# KiCad board TS_FPGA_Module_Rev2.kicad_pcb (continued)
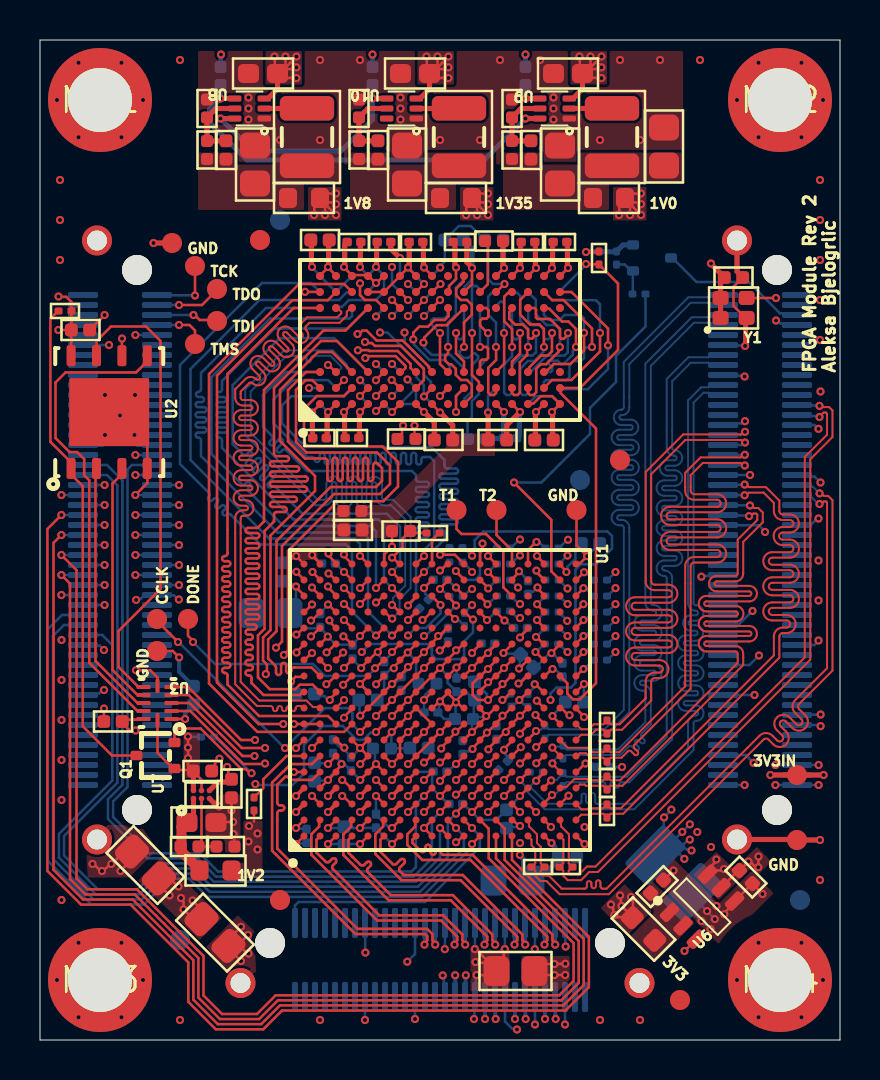
[diagram p0: board, top side]
## Routing (per net, layer and track width the routed paths; a pad name or vN(x,y) marks a point on that pad's centre or on a via; arc(x,y) is an arc through that point) (continued)
  Bottom Layer w0.1: R7.2 26.15,13.33 25.83,13.01 25.58,13.01 v1(25.56,12.98) ; 26.15,13.34 26.16,13.34 26.33,13.16 29.35,13.16 31.33,15.15 31.33,23.09 arc(31.3,23.17) 31.22,23.2 31.22,23.2 arc(30.83,23.59) 31.22,23.98 31.73,23.98 arc(31.84,24.09) 31.73,24.2 31.22,24.2 arc(30.83,24.59) 31.22,24.98 31.73,24.98 arc(31.84,25.09) 31.73,25.21 31.22,25.21 arc(30.83,25.59) 31.22,25.98 31.73,25.98 arc(31.84,26.09) 31.73,26.21 31.22,26.21 arc(30.83,26.6) 31.22,26.98 31.73,26.98 arc(31.84,27.1) 31.73,27.21 31.22,27.21 arc(30.83,27.6) 31.22,27.98 31.73,27.98 arc(31.84,28.1) 31.73,28.21 31.38,28.21 arc(30.99,28.6) 31.38,28.99 31.72,28.99 arc(31.84,29.1) 31.72,29.21 31.72,29.21 arc(31.45,29.33) 31.33,29.6 31.33,33.05 32.42,34.14 33.42,34.14 33.54,34.25 JM1.88
/D3B_P: length 38.8
  Top Layer w0.127: U1.T3 25.2,11.85 25.6,12.25
  Bottom Layer w0.1: R7.1 26.15,12.68 25.78,12.31 25.66,12.31 v1(25.6,12.25) ; JM1.86 33.54,33.75 33.42,33.86 32.53,33.86 31.61,32.94 31.61,29.6 arc(31.64,29.52) 31.72,29.49 31.72,29.49 arc(32.11,29.1) 31.72,28.71 31.38,28.71 arc(31.26,28.6) 31.38,28.49 31.73,28.49 arc(32.12,28.1) 31.73,27.71 31.22,27.71 arc(31.1,27.6) 31.22,27.48 31.73,27.48 arc(32.12,27.1) 31.73,26.71 31.22,26.71 arc(31.1,26.6) 31.22,26.48 31.73,26.48 arc(32.12,26.09) 31.73,25.71 31.22,25.71 arc(31.1,25.59) 31.22,25.48 31.73,25.48 arc(32.12,25.09) 31.73,24.7 31.22,24.7 arc(31.1,24.59) 31.22,24.48 31.73,24.48 arc(32.12,24.09) 31.73,23.7 31.22,23.7 arc(31.1,23.59) 31.22,23.48 31.22,23.48 arc(31.49,23.36) 31.61,23.09 31.61,15.03 29.46,12.89 29.07,12.89 arc(28.99,12.85) 28.96,12.77 28.96,12.72 arc(28.84,12.61) 28.73,12.72 28.73,12.77 arc(28.62,12.89) 28.5,12.77 28.5,12.51 arc(28.39,12.4) 28.28,12.51 28.28,12.77 arc(28.24,12.85) 28.16,12.89 26.33,12.89 26.16,12.71 26.15,12.71
/D4A_N: length 35.6
  Top Layer w0.1: v1(25.62,14.62) 25.62,14.6 26,14.22 U1.U6
  Bottom Layer w0.1: v1(25.62,14.62) 25.67,14.67 26.07,14.67 26.15,14.75 26.15,14.71 26.33,14.52 28.9,14.52 30.27,15.89 30.27,17.35 arc(30.23,17.43) 30.15,17.47 30.11,17.47 arc(29.72,17.85) 30.11,18.24 30.69,18.24 arc(30.81,18.36) 30.69,18.47 30.11,18.47 arc(29.72,18.86) 30.11,19.24 30.69,19.24 arc(30.81,19.36) 30.69,19.47 30.11,19.47 arc(29.72,19.86) 30.11,20.25 30.69,20.25 arc(30.81,20.36) 30.69,20.47 30.11,20.47 arc(29.72,20.86) 30.11,21.25 30.69,21.25 arc(30.81,21.36) 30.69,21.48 30.65,21.48 arc(30.38,21.59) 30.27,21.86 30.27,33.82 32.59,36.14 33.42,36.14 33.54,36.25 JM1.96
/D4A_P: length 36.9
  Top Layer w0.1: 25.62,13.84 25.62,13.81 26,13.43 U1.U5
  Bottom Layer w0.1: JM1.94 33.54,35.75 33.42,35.86 32.7,35.86 30.54,33.7 30.54,21.86 arc(30.57,21.78) 30.65,21.75 30.69,21.75 arc(31.08,21.36) 30.69,20.97 30.11,20.97 arc(29.99,20.86) 30.11,20.75 30.69,20.75 arc(31.08,20.36) 30.69,19.97 30.11,19.97 arc(29.99,19.86) 30.11,19.75 30.69,19.75 arc(31.08,19.36) 30.69,18.97 30.11,18.97 arc(29.99,18.86) 30.11,18.74 30.69,18.74 arc(31.08,18.36) 30.69,17.97 30.11,17.97 arc(29.99,17.85) 30.11,17.74 30.15,17.74 arc(30.43,17.63) 30.54,17.35 30.54,15.78 30.08,15.32 arc(30.04,15.24) 30.08,15.16 30.21,15.02 arc(30.24,14.94) 30.21,14.86 arc(30.13,14.83) 30.05,14.86 29.93,14.98 arc(29.85,15.01) 29.77,14.98 arc(29.74,14.9) 29.77,14.82 29.92,14.67 arc(29.95,14.59) 29.92,14.51 arc(29.84,14.48) 29.76,14.51 29.6,14.67 arc(29.52,14.71) 29.44,14.67 29.01,14.25 26.32,14.25 26.2,14.13 26.18,14.13 ; 26.15,14.1 25.82,14.1 25.62,13.89 25.62,13.84
  vias: v1(25.62,13.83)
/D4B_N: length 38.6
  Top Layer w0.127: v1(24.8,15.45) 24.8,15.43 24.4,15.03 U1.R7
  Bottom Layer w0.1: R2.2 25.25,15.72 25.04,15.51 24.86,15.51 v1(24.8,15.45) ; JM1.100 33.54,37.25 33.42,37.14 32.42,37.14 29.19,33.91 29.19,31.63 arc(29.16,31.55) 29.08,31.52 arc(28.69,31.13) 29.08,30.74 29.53,30.74 arc(29.64,30.63) 29.53,30.52 28.97,30.52 arc(28.58,30.13) 28.97,29.74 29.56,29.74 arc(29.67,29.63) 29.56,29.51 28.97,29.51 arc(28.58,29.13) 28.97,28.74 29.56,28.74 arc(29.67,28.63) 29.56,28.51 28.97,28.51 arc(28.58,28.12) 28.97,27.74 29.56,27.74 arc(29.67,27.62) 29.56,27.51 28.97,27.51 arc(28.58,27.12) 28.97,26.74 29.56,26.74 arc(29.67,26.62) 29.56,26.51 28.97,26.51 arc(28.58,26.12) 28.97,25.73 29.08,25.73 arc(29.16,25.7) 29.19,25.62 29.19,16.5 28.23,15.54 25.43,15.54 25.27,15.7 25.26,15.7
/D4B_P: length 38.6
  Top Layer w0.127: U1.T7 25.18,15 24.82,14.64 v1(24.81,14.64)
  Bottom Layer w0.1: v1(24.81,14.64) 24.82,14.64 25.26,15.08 25.26,15.09 25.43,15.26 28.34,15.26 29.47,16.39 29.47,25.62 arc(29.35,25.89) 29.08,26.01 28.97,26.01 arc(28.86,26.12) 28.97,26.23 29.56,26.23 arc(29.94,26.62) 29.56,27.01 28.97,27.01 arc(28.86,27.12) 28.97,27.24 29.56,27.24 arc(29.94,27.62) 29.56,28.01 28.97,28.01 arc(28.86,28.12) 28.97,28.24 29.56,28.24 arc(29.94,28.63) 29.56,29.01 28.97,29.01 arc(28.86,29.13) 28.97,29.24 29.56,29.24 arc(29.94,29.63) 29.56,30.02 28.97,30.02 arc(28.86,30.13) 28.97,30.24 29.53,30.24 arc(29.92,30.63) 29.53,31.02 29.08,31.02 arc(28.96,31.13) 29.08,31.24 arc(29.35,31.36) 29.47,31.63 29.47,33.8 32.53,36.86 33.42,36.86 33.54,36.75 JM1.98
/DC_CPL_1: length 40.6
  Top Layer w0.127: 23.64,11.76 v1(24,11.4)
  Int2 (Sign) w0.127: v1(24,11.4) 24,11.32 24.09,11.24 24.09,11.19 24.4,10.88 24.4,9.1 22.09,6.79 15.38,6.79 14.77,6.18 8.98,6.18 5.61,9.55 4.97,9.55 2.5,12.02 2.5,12.97 2.5,22.02 v1(3.23,22.75)
  Bottom Layer w0.127: JM2.42 v1(3.23,22.75)
/DC_CPL_2: length 59.7
  Top Layer w0.127: U1.N2 23.23,10.57 23.23,9.01 27.19,5.05 27.19,2.75 26.17,1.73 12,1.73 11.06,0.79 8.89,0.79 7.67,2.01 7.67,3.99 4.63,7.02 2.16,7.02 0.68,8.51 0.68,24.86 v1(1.07,25.25)
  Bottom Layer w0.127: v1(1.07,25.25) JM2.52
/DC_CPL_3: length 54.2
  Top Layer w0.127: 25.24,10.96 v1(25.55,10.65)
  Int2 (Sign) w0.127: v1(3.23,26.75) 1.73,25.25 1.73,11.47 1.14,10.88 1.14,8.91 2.51,7.54 4.87,7.54 8.17,4.24 8.17,2.17 9.19,1.14 10.81,1.14 15.7,6.03 22.4,6.03 25.99,9.62 25.99,10.21 v1(25.55,10.65)
  Bottom Layer w0.127: JM2.58 v1(3.23,26.75)
/DC_CPL_4: length 40.3
  Top Layer w0.127: v1(20,11.4) 20.36,11.76
  Bottom Layer w0.127: JM2.66 3.35,28.75 4.12,27.98 4.12,12.76 3.4,12.04 3.4,11.05 5.36,9.08 7.88,9.08 8.79,8.17 18.68,8.17 19.59,9.08 19.59,10.99 v1(20,11.4)
/FCLK_N: length 34
  Top Layer w0.1: R9.1 25.98,8.65 26.16,8.83 26.16,9.59 26.17,9.6 26.17,10.02 26,10.19 U1.U1 ; 26,8.65 26,8.63 26.16,8.47 26.16,8.21 26.38,7.99 27.05,7.99 27.46,8.4 27.89,8.4 38.51,19.02 38.51,29.04 39.62,30.15 39.62,31.48 39.45,31.65 39.03,31.65 v1(38.97,31.71)
  Bottom Layer w0.127: JM1.77 37.87,31.73 38.95,31.73 v1(38.97,31.71)
/FCLK_P: length 33.7
  Top Layer w0.1: R9.2 26.62,8.65 26.44,8.83 26.44,9.48 26.45,9.49 26.45,10.28 26.05,10.68 26.05,10.95 U1.U2 ; 26.62,8.65 26.44,8.47 26.44,8.33 26.5,8.27 26.94,8.27 27.35,8.67 27.78,8.67 28.53,9.42 38.24,19.13 38.24,29.15 39.35,30.26 39.35,31.32 39.29,31.37 39.18,31.37 38.97,31.17 v1(38.97,31.15)
  Bottom Layer w0.127: v1(38.97,31.15) 38.92,31.2 37.9,31.2 JM1.75
/FE_EN: length 35.8
  Top Layer w0.127: v1(20,13.88) 20.04,13.88 20.32,14.16 20.36,14.16
  Int2 (Sign) w0.127: v1(6.95,25.75) 6.93,25.75 5.71,24.53 5.71,14.45 7.47,12.69 7.47,10.56 9.82,8.21 13.92,8.21 14.54,8.82 17.97,8.82 18.51,9.36 18.51,10.46 19.04,10.99 19.35,10.99 19.59,11.24 19.59,13.39 20,13.8 v1(20,13.88)
  Bottom Layer w0.127: JM2.53 v1(6.95,25.75)
/FE_PG: length 31.6
  Top Layer w0.127: v1(19.2,13) 19.56,13.36
  Int2 (Sign) w0.127: v1(6.95,23.75) 6.93,23.75 5.96,22.78 5.96,14.56 7.73,12.79 7.73,10.66 9.93,8.46 13.82,8.46 14.43,9.08 17.86,9.08 18.25,9.47 18.25,10.7 18.79,11.24 18.79,12.59 v1(19.2,13)
  Bottom Layer w0.127: JM2.45 v1(6.95,23.75)
/FPGA_Bank_34_IO/CLK25: length 44.5
  Top Layer w0.127: Y1.3 36.8,37.1 v1(36.8,37.1) ; v1(23.2,12.2) 23.56,12.56
  Int2 (Sign) w0.127: v1(36.8,37.1) 38.53,35.38 38.53,16.18 37.05,14.7 29.07,14.7 27.22,12.85 v1(27.22,10.65)
  Int3 (Sign) w0.127: v1(27.22,10.65) 26.58,10.65 26.18,10.25 23.45,10.25 23.2,10.5 v1(23.2,12.2)
/FPGA_Banks_14_15_DDR3/DDR3_A0: length 1.2
  Top Layer w0.127: U1.T12 25.19,19 24.79,19.4 v1(24.78,19.4)
  Bottom Layer w0.127: v1(24.78,19.4) 24.81,19.4 25.21,19.8 R41.1
/FPGA_Banks_14_15_DDR3/DDR3_A0_T: length 46.9
  Top Layer w0.127: v1(24,35.35) 24,34.33 23.6,33.93 U4.N3
  Int2 (Sign) w0.127: v1(26.38,19.4) 26.38,19.38 26.75,19 34.82,19 37.9,22.08 37.9,34.2 33.7,38.4 26.92,38.4 24.05,35.54 24.05,35.4 v1(24,35.35)
  Bottom Layer w0.127: v1(26.38,19.4) 26.34,19.4 25.94,19.8 R41.2 ; U5.N3 23.6,35.17 23.72,35.04 23.86,35.04 23.95,35.13 23.95,35.29 24,35.35
/FPGA_Banks_14_15_DDR3/DDR3_A1: length 1.1
  Top Layer w0.127: v1(24.86,21.79) 24.86,21.77 25.19,21.44 25.19,21.4
  Bottom Layer w0.127: R21.1 25.26,22.2 24.86,21.8 v1(24.86,21.79)
/FPGA_Banks_14_15_DDR3/DDR3_A1_T: length 49.1
  Top Layer w0.127: v1(26.4,35.35) 26.4,35.27 26.18,35.06 26.07,35.06 26,35.13 26,35.55 25.5,36.05 24.87,36.05 24.8,36.12 24.8,36.52 24.72,36.6 U4.P7
  Int2 (Sign) w0.127: v1(26.4,35.35) 26.45,35.4 26.45,35.6 27.3,36.45 31.97,36.45 34.84,33.59 34.84,32.81 arc(34.87,32.72) 34.96,32.68 35.49,32.68 arc(35.62,32.55) 35.49,32.43 34.96,32.43 arc(34.84,32.3) 34.96,32.17 35.49,32.17 arc(35.62,32.04) 35.49,31.92 34.96,31.92 arc(34.84,31.79) 34.96,31.66 35.23,31.66 arc(35.36,31.54) 35.23,31.41 34.96,31.41 arc(34.87,31.37) 34.84,31.28 34.84,26.13 35.1,25.87 35.1,23.58 34.82,23.3 34.81,23.3 33.15,21.64 33.15,21.64 32.62,21.11 29.39,21.11 29.1,21.4 28.29,21.4 arc(28.2,21.36) 28.17,21.27 28.17,21.12 arc(28.04,21) 27.91,21.12 27.91,21.72 arc(27.78,21.84) 27.66,21.72 27.66,21.53 arc(27.62,21.44) 27.53,21.4 26.24,21.4 25.96,21.12 25.96,19.14 25.78,18.95 25.41,18.95 25.17,19.18 25.17,19.97 25.62,20.42 25.62,21.43 26,21.8 v1(26.38,21.8)
  Bottom Layer w0.127: v1(26.38,21.8) 26.36,21.8 25.98,22.19 25.96,22.19 ; v1(26.4,35.35) 26.39,35.34 26.39,34.38 26.23,34.22 25.34,34.22 24.58,33.45 24.45,33.45 U5.P7
/FPGA_Banks_14_15_DDR3/DDR3_A2: length 1.1
  Top Layer w0.127: v1(24.85,21) 24.85,20.98 25.19,20.64 25.19,20.6
  Bottom Layer w0.127: v1(24.85,21) 25.25,21.4 R24.1
/FPGA_Banks_14_15_DDR3/DDR3_A2_T: length 48.2
  Top Layer w0.127: U4.P3 24.45,33.45 24.45,33.62 25.06,34.23 25.39,34.23 25.6,34.44 25.6,35.35
  Int2 (Sign) w0.127: v1(25.6,35.35) 25.65,35.4 25.65,35.52 27.23,37.1 32.3,37.1 32.47,36.93 arc(32.56,36.9) 32.65,36.93 32.8,37.08 arc(32.89,37.12) 32.98,37.08 arc(33.01,36.99) 32.98,36.9 32.79,36.71 arc(32.75,36.62) 32.79,36.53 arc(32.88,36.5) 32.97,36.53 33.24,36.81 arc(33.33,36.85) 33.42,36.81 arc(33.46,36.72) 33.42,36.63 33.15,36.35 arc(33.11,36.26) 33.15,36.17 arc(33.24,36.14) 33.33,36.17 33.6,36.45 arc(33.69,36.49) 33.78,36.45 arc(33.82,36.36) 33.78,36.27 33.51,36 arc(33.47,35.91) 33.51,35.82 arc(33.6,35.78) 33.69,35.82 33.96,36.09 arc(34.05,36.13) 34.14,36.09 arc(34.18,36) 34.14,35.91 33.86,35.64 arc(33.83,35.55) 33.86,35.46 arc(33.95,35.42) 34.04,35.46 34.32,35.73 arc(34.41,35.77) 34.5,35.73 arc(34.54,35.64) 34.5,35.55 34.22,35.28 arc(34.19,35.19) 34.22,35.1 arc(34.31,35.06) 34.4,35.1 34.68,35.37 arc(34.77,35.41) 34.86,35.37 arc(34.89,35.28) 34.86,35.19 34.62,34.96 arc(34.59,34.87) 34.62,34.78 35.34,34.06 arc(35.43,34.02) 35.52,34.06 35.76,34.29 arc(35.84,34.33) 35.93,34.29 arc(35.97,34.2) 35.93,34.11 35.66,33.84 arc(35.62,33.75) 35.66,33.66 arc(35.75,33.62) 35.84,33.66 36.11,33.93 arc(36.2,33.97) 36.29,33.93 arc(36.33,33.84) 36.29,33.75 36.06,33.52 arc(36.02,33.43) 36.06,33.34 36.35,33.05 36.35,26.08 35.7,25.43 35.7,22.6 33.7,20.6 26.71,20.6 v1(26.36,20.96)
  Bottom Layer w0.127: U5.P3 24.41,36.59 24.41,35.97 24.63,35.74 24.96,35.74 25.19,35.51 25.19,35.12 25.27,35.04 25.42,35.04 25.55,35.17 25.55,35.3 v1(25.6,35.35) ; v1(26.36,20.96) 26.36,20.98 25.96,21.37 25.96,21.39
/FPGA_Banks_14_15_DDR3/DDR3_A3: length 1.2
  Top Layer w0.127: v1(27.17,18.55) 27.16,18.55 26.81,18.2 U1.V11
  Bottom Layer w0.127: R30.1 27.66,19 27.21,18.55 v1(27.17,18.55)
/FPGA_Banks_14_15_DDR3/DDR3_A3_T: length 47.2
  Top Layer w0.127: v1(24.4,34.65) 24.36,34.61 24.36,34.26 23.99,33.89 23.99,32.37 23.88,32.25 23.7,32.25 23.6,32.35 U4.N2
  Int2 (Sign) w0.127: v1(28.78,19.4) 34.85,19.4 36.45,21 36.45,22.08 36.57,22.19 arc(36.66,22.23) 36.75,22.19 36.93,22.01 arc(37.02,21.97) 37.11,22.01 arc(37.15,22.1) 37.11,22.19 36.91,22.39 arc(36.87,22.48) 36.91,22.57 arc(37,22.61) 37.09,22.57 37.29,22.36 arc(37.38,22.33) 37.47,22.36 arc(37.51,22.45) 37.47,22.54 37.29,22.73 arc(37.25,22.82) 37.29,22.91 37.5,23.12 37.5,34.12 33.55,38.08 26.95,38.08 24.4,35.53 v1(24.4,34.65)
  Bottom Layer w0.127: R30.2 28.38,19 v1(28.78,19.4) ; v1(24.4,34.65) 24.41,34.66 24.41,35.56 24.01,35.96 24.01,37.21 23.86,37.36 23.64,37.36 U5.N2
/FPGA_Banks_14_15_DDR3/DDR3_A4: length 1.2
  Top Layer w0.127: U1.V12 26.8,19.01 27.17,19.39 v1(27.17,19.4)
  Bottom Layer w0.127: R39.1 27.67,19.8 27.33,19.45 27.23,19.45 v1(27.17,19.4)
/FPGA_Banks_14_15_DDR3/DDR3_A4_T: length 45.5
  Top Layer w0.127: U4.P8 24.01,37.01 24.01,36.27 24.5,35.78 24.97,35.78 25.19,35.56 25.19,34.66 v1(25.2,34.65)
  Int2 (Sign) w0.127: v1(28.78,20.2) 33.78,20.2 36.7,23.12 36.7,23.39 arc(36.66,23.48) 36.57,23.52 36.31,23.52 arc(36.18,23.65) 36.31,23.78 36.72,23.78 arc(36.85,23.9) 36.72,24.03 36.31,24.03 arc(36.18,24.16) 36.31,24.28 36.72,24.28 arc(36.85,24.41) 36.72,24.54 36.31,24.54 arc(36.18,24.66) 36.31,24.79 36.57,24.79 arc(36.66,24.83) 36.7,24.92 36.7,33.93 33.2,37.43 27.11,37.43 25.2,35.52 v1(25.2,34.65)
  Bottom Layer w0.127: v1(28.78,20.2) 28.38,19.8 R39.2 ; v1(25.2,34.65) 25.17,34.62 25.17,34.4 24.71,33.95 24.4,33.95 24.01,33.56 24.01,32.37 24.12,32.25 24.3,32.25 24.4,32.35 U5.P8
/FPGA_Banks_14_15_DDR3/DDR3_A5: length 1.2
  Top Layer w0.127: v1(27.17,20.2) 27.17,20.19 26.8,19.81 U1.V13
  Bottom Layer w0.127: R42.1 27.67,20.6 27.33,20.25 27.23,20.25 v1(27.17,20.2)
/FPGA_Banks_14_15_DDR3/DDR3_A5_T: length 46.5
  Top Layer w0.127: U4.P2 24.4,32.35 24.5,32.25 24.68,32.25 24.81,32.38 24.81,33.56 25.04,33.79 25.31,33.79 25.94,34.42 25.94,34.62 25.99,34.68
  Int2 (Sign) w0.127: 25.99,34.68 26.01,34.69 26.01,35.51 27.27,36.78 32.19,36.78 35.9,33.06 35.9,31.42 arc(35.86,31.33) 35.77,31.3 35.77,31.3 arc(35.64,31.17) 35.77,31.04 35.94,31.04 arc(36.06,30.92) 35.94,30.79 35.76,30.79 arc(35.63,30.66) 35.76,30.53 35.94,30.53 arc(36.06,30.41) 35.94,30.28 35.76,30.28 arc(35.63,30.15) 35.76,30.03 35.94,30.03 arc(36.06,29.9) 35.94,29.77 35.77,29.77 arc(35.64,29.65) 35.77,29.52 35.94,29.52 arc(36.06,29.39) 35.94,29.26 35.77,29.26 arc(35.64,29.14) 35.77,29.01 35.77,29.01 arc(35.86,28.97) 35.9,28.88 35.9,26.03 35.35,25.48 35.35,23.48 35.24,23.37 arc(35.21,23.28) 35.24,23.19 35.36,23.07 arc(35.39,22.98) 35.36,22.89 arc(35.27,22.86) 35.18,22.89 35.06,23.01 arc(34.97,23.05) 34.88,23.01 arc(34.84,22.92) 34.88,22.83 35.11,22.6 arc(35.15,22.51) 35.11,22.42 arc(35.02,22.38) 34.93,22.42 34.7,22.65 arc(34.61,22.69) 34.52,22.65 arc(34.48,22.56) 34.52,22.47 34.75,22.24 arc(34.79,22.15) 34.75,22.06 arc(34.66,22.02) 34.57,22.06 34.34,22.29 arc(34.25,22.33) 34.16,22.29 arc(34.12,22.2) 34.16,22.11 34.39,21.88 arc(34.43,21.79) 34.39,21.7 arc(34.3,21.66) 34.21,21.7 33.98,21.93 arc(33.89,21.97) 33.8,21.93 arc(33.76,21.84) 33.8,21.75 34.03,21.52 arc(34.07,21.43) 34.03,21.34 arc(33.94,21.31) 33.85,21.34 33.62,21.57 arc(33.53,21.61) 33.44,21.57 arc(33.41,21.48) 33.44,21.39 33.67,21.16 arc(33.71,21.07) 33.67,20.98 arc(33.58,20.95) 33.49,20.98 33.27,21.21 arc(33.18,21.25) 33.09,21.21 32.73,20.85 28.99,20.85 28.84,21 v1(28.78,21)
  Bottom Layer w0.127: U5.P2 24.79,37.01 24.79,36.28 25.32,35.75 25.34,35.75 25.34,35.75 25.78,35.75 25.99,35.53 25.99,34.68 ; R42.2 28.38,20.6 v1(28.78,21)
  vias: v1(25.99,34.65)
/FPGA_Banks_14_15_DDR3/DDR3_A6: length 1.1
  Top Layer w0.127: 25.19,23.79 25.19,23.84 24.85,24.18 v1(24.85,24.2)
  Bottom Layer w0.127: R33.1 25.25,23.8 v1(24.85,24.2)
/FPGA_Banks_14_15_DDR3/DDR3_A6_T: length 48
  Top Layer w0.127: U4.R8 25.6,37 26.18,37 27.6,35.58 v1(27.6,34.65)
  Int2 (Sign) w0.127: v1(27.6,34.65) 27.91,34.34 30.81,34.34 31.5,33.65 31.5,33.49 arc(31.53,33.4) 31.62,33.37 31.77,33.37 arc(31.9,33.24) 31.77,33.11 31.18,33.11 arc(31.05,32.99) 31.18,32.86 31.77,32.86 arc(31.9,32.73) 31.77,32.6 31.18,32.6 arc(31.05,32.48) 31.18,32.35 31.77,32.35 arc(31.9,32.22) 31.77,32.1 31.53,32.1 arc(31.4,31.97) 31.53,31.84 31.77,31.84 arc(31.9,31.72) 31.77,31.59 31.61,31.59 arc(31.48,31.46) 31.61,31.33 31.77,31.33 arc(31.9,31.21) 31.77,31.08 31.62,31.08 arc(31.5,30.95) 31.62,30.83 31.77,30.83 arc(31.9,30.7) 31.77,30.57 31.62,30.57 arc(31.5,30.45) 31.62,30.32 31.77,30.32 arc(31.9,30.19) 31.77,30.06 31.62,30.06 arc(31.5,29.94) 31.62,29.81 31.77,29.81 arc(31.9,29.68) 31.77,29.56 31.62,29.56 arc(31.5,29.43) 31.62,29.3 31.77,29.3 arc(31.9,29.18) 31.77,29.05 31.62,29.05 arc(31.5,28.92) 31.62,28.79 31.77,28.79 arc(31.9,28.67) 31.77,28.54 31.62,28.54 arc(31.5,28.41) 31.62,28.29 31.77,28.29 arc(31.9,28.16) 31.77,28.03 31.62,28.03 arc(31.5,27.91) 31.62,27.78 31.77,27.78 arc(31.9,27.65) 31.77,27.52 31.62,27.52 arc(31.5,27.4) 31.62,27.27 31.77,27.27 arc(31.9,27.14) 31.77,27.02 31.62,27.02 arc(31.5,26.89) 31.62,26.76 31.77,26.76 arc(31.9,26.64) 31.77,26.51 31.62,26.51 arc(31.5,26.38) 31.62,26.25 31.77,26.25 arc(31.9,26.13) 31.77,26 31.62,26 arc(31.5,25.87) 31.62,25.75 31.77,25.75 arc(31.9,25.62) 31.77,25.49 31.62,25.49 arc(31.5,25.37) 31.62,25.24 31.77,25.24 arc(31.9,25.11) 31.77,24.98 31.18,24.98 arc(31.05,24.86) 31.18,24.73 31.77,24.73 arc(31.9,24.6) 31.77,24.48 31.62,24.48 arc(31.53,24.44) 31.5,24.35 31.5,24.18 31.11,23.8 30.83,23.8 arc(30.74,23.76) 30.7,23.67 30.7,23.38 arc(30.58,23.25) 30.45,23.38 30.45,23.7 arc(30.32,23.82) 30.2,23.7 30.2,23.38 arc(30.07,23.25) 29.94,23.38 29.94,23.7 arc(29.81,23.82) 29.69,23.7 29.69,23.38 arc(29.56,23.25) 29.43,23.38 29.43,23.67 arc(29.4,23.76) 29.31,23.8 28.5,23.8 28.38,23.68 28.38,22.58 28.3,22.5 28.17,22.5 28.1,22.57 28.1,23.71 28.01,23.8 27.9,23.8 27.8,23.7 27.8,23.1 27.69,22.99 26.86,22.99 26.74,23.11 26.74,23.86 v1(26.38,24.23)
  Bottom Layer w0.127: 25.96,23.8 25.96,23.81 v1(26.38,24.23) ; v1(27.6,34.65) 27.57,34.62 27.27,34.62 27.2,34.55 27.2,34.09 27.05,33.94 26.67,33.94 26.48,33.75 26.48,33.14 26.32,32.99 25.29,32.99 25.2,32.9 U5.R8
/FPGA_Banks_14_15_DDR3/DDR3_A7: length 1.2
  Top Layer w0.127: U1.V16 26.8,22.21 27.17,22.58 v1(27.17,22.59)
  Bottom Layer w0.127: v1(27.17,22.59) 27.22,22.54 27.33,22.54 27.67,22.2 R40.1
/FPGA_Banks_14_15_DDR3/DDR3_A7_T: length 46.8
  Top Layer w0.127: U4.R2 25.6,33 26.58,33 28,34.43 v1(28,35.35)
  Int2 (Sign) w0.127: v1(28,35.35) 28.07,35.35 28.34,35.62 30.86,35.62 31.02,35.45 arc(31.11,35.41) 31.2,35.45 31.28,35.53 arc(31.37,35.56) 31.46,35.53 arc(31.5,35.44) 31.46,35.35 31.28,35.16 arc(31.24,35.07) 31.28,34.98 arc(31.37,34.95) 31.46,34.98 31.67,35.19 arc(31.76,35.23) 31.85,35.19 arc(31.88,35.1) 31.85,35.02 31.64,34.81 arc(31.6,34.72) 31.64,34.63 arc(31.73,34.59) 31.82,34.63 32.03,34.84 arc(32.12,34.87) 32.21,34.84 arc(32.24,34.75) 32.21,34.66 32,34.45 arc(31.96,34.36) 32,34.27 arc(32.09,34.23) 32.17,34.27 32.37,34.47 arc(32.46,34.5) 32.55,34.47 arc(32.59,34.38) 32.55,34.29 32.37,34.1 arc(32.33,34.01) 32.37,33.92 arc(32.46,33.89) 32.55,33.92 32.64,34.01 arc(32.73,34.05) 32.82,34.01 arc(32.86,33.92) 32.82,33.83 arc(32.78,33.74) 32.82,33.65 32.9,33.58 32.9,32.91 arc(32.93,32.82) 33.02,32.78 33.23,32.78 arc(33.35,32.65) 33.23,32.52 33.02,32.52 arc(32.89,32.4) 33.02,32.27 33.22,32.27 arc(33.35,32.14) 33.22,32.02 33.02,32.02 arc(32.89,31.89) 33.02,31.76 33.22,31.76 arc(33.34,31.64) 33.22,31.51 33.02,31.51 arc(32.89,31.38) 33.02,31.25 33.22,31.25 arc(33.34,31.13) 33.22,31 33.02,31 arc(32.89,30.87) 33.02,30.75 33.22,30.75 arc(33.34,30.62) 33.22,30.49 33.02,30.49 arc(32.89,30.37) 33.02,30.24 33.22,30.24 arc(33.34,30.11) 33.22,29.98 33.02,29.98 arc(32.89,29.86) 33.02,29.73 33.22,29.73 arc(33.34,29.6) 33.22,29.48 33.02,29.48 arc(32.89,29.35) 33.02,29.22 33.22,29.22 arc(33.34,29.1) 33.22,28.97 33.02,28.97 arc(32.89,28.84) 33.02,28.71 33.22,28.71 arc(33.34,28.59) 33.22,28.46 33.02,28.46 arc(32.89,28.33) 33.02,28.21 33.21,28.21 arc(33.34,28.08) 33.21,27.95 33.02,27.95 arc(32.89,27.83) 33.02,27.7 33.21,27.7 arc(33.34,27.57) 33.21,27.44 33.02,27.44 arc(32.89,27.32) 33.02,27.19 33.21,27.19 arc(33.34,27.06) 33.21,26.94 33.02,26.94 arc(32.89,26.81) 33.02,26.68 33.22,26.68 arc(33.34,26.56) 33.22,26.43 33.02,26.43 arc(32.89,26.3) 33.02,26.17 33.22,26.17 arc(33.34,26.05) 33.22,25.92 33.01,25.92 arc(32.88,25.79) 33.01,25.67 33.22,25.67 arc(33.35,25.54) 33.22,25.41 32.97,25.41 arc(32.84,25.29) 32.97,25.16 33.22,25.16 arc(33.35,25.03) 33.22,24.9 32.78,24.9 arc(32.66,24.78) 32.78,24.65 33.22,24.65 arc(33.35,24.52) 33.22,24.4 32.58,24.4 arc(32.45,24.27) 32.58,24.14 32.77,24.14 arc(32.86,24.11) 32.9,24.02 32.9,23.55 31.8,22.45 28.99,22.45 28.85,22.59 v1(28.78,22.59)
  Bottom Layer w0.127: 25.21,37.4 25.62,36.99 27.8,36.99 28,36.79 28,35.36 ; R40.2 28.38,22.2 28.77,22.59 v1(28.78,22.59)
/FPGA_Banks_14_15_DDR3/DDR3_A8: length 1.2
  Top Layer w0.127: U1.V17 26.81,23 27.19,23.39 v1(27.2,23.39)
  Bottom Layer w0.127: R43.1 27.67,23 27.36,23.32 27.35,23.32 27.28,23.39 v1(27.2,23.39)
/FPGA_Banks_14_15_DDR3/DDR3_A8_T: length 46.9
  Top Layer w0.127: U4.T8 26.57,37.4 28.4,35.57 v1(28.4,34.73)
  Int2 (Sign) w0.127: v1(28.4,34.73) 28.83,34.73 arc(28.92,34.77) 28.96,34.86 28.96,35.24 arc(29.08,35.36) 29.21,35.24 29.21,34.72 arc(29.34,34.59) 29.46,34.72 29.46,35.24 arc(29.59,35.36) 29.72,35.24 29.72,34.72 arc(29.85,34.59) 29.97,34.72 29.97,35.24 arc(30.1,35.36) 30.23,35.24 30.23,34.72 arc(30.35,34.59) 30.48,34.72 30.48,35.24 arc(30.61,35.36) 30.73,35.24 30.73,34.86 arc(30.77,34.77) 30.86,34.73 31.12,34.73 32.2,33.65 32.2,33.49 arc(32.23,33.4) 32.32,33.36 32.51,33.36 arc(32.64,33.23) 32.51,33.11 32.27,33.11 arc(32.14,32.98) 32.27,32.85 32.51,32.85 arc(32.64,32.72) 32.51,32.6 32.27,32.6 arc(32.14,32.47) 32.27,32.34 32.51,32.34 arc(32.64,32.22) 32.51,32.09 32.27,32.09 arc(32.14,31.96) 32.27,31.84 32.51,31.84 arc(32.64,31.71) 32.51,31.58 32.27,31.58 arc(32.14,31.45) 32.27,31.33 32.51,31.33 arc(32.64,31.2) 32.51,31.07 32.27,31.07 arc(32.14,30.95) 32.27,30.82 32.51,30.82 arc(32.64,30.69) 32.51,30.57 32.27,30.57 arc(32.14,30.44) 32.27,30.31 32.51,30.31 arc(32.64,30.18) 32.51,30.06 32.27,30.06 arc(32.14,29.93) 32.27,29.8 32.51,29.8 arc(32.64,29.68) 32.51,29.55 32.27,29.55 arc(32.14,29.42) 32.27,29.3 32.51,29.3 arc(32.64,29.17) 32.51,29.04 32.27,29.04 arc(32.14,28.91) 32.27,28.79 32.51,28.79 arc(32.64,28.66) 32.51,28.53 32.27,28.53 arc(32.14,28.41) 32.27,28.28 32.51,28.28 arc(32.64,28.15) 32.51,28.03 32.27,28.03 arc(32.14,27.9) 32.27,27.77 32.51,27.77 arc(32.64,27.64) 32.51,27.52 32.27,27.52 arc(32.14,27.39) 32.27,27.26 32.51,27.26 arc(32.64,27.14) 32.51,27.01 32.27,27.01 arc(32.14,26.88) 32.27,26.76 32.51,26.76 arc(32.64,26.63) 32.51,26.5 32.27,26.5 arc(32.14,26.37) 32.27,26.25 32.51,26.25 arc(32.64,26.12) 32.51,25.99 32.27,25.99 arc(32.14,25.87) 32.27,25.74 32.51,25.74 arc(32.63,25.61) 32.51,25.49 32.27,25.49 arc(32.14,25.36) 32.27,25.23 32.32,25.23 arc(32.45,25.1) 32.32,24.98 arc(32.23,24.94) 32.2,24.85 32.2,24.07 32.06,23.93 arc(32.02,23.84) 32.06,23.75 32.31,23.5 arc(32.35,23.41) 32.31,23.32 arc(32.22,23.28) 32.13,23.32 31.74,23.71 arc(31.65,23.74) 31.57,23.71 arc(31.53,23.62) 31.57,23.53 31.95,23.14 arc(31.99,23.05) 31.95,22.96 arc(31.86,22.92) 31.77,22.96 31.52,23.21 arc(31.43,23.25) 31.34,23.21 30.92,22.8 29.38,22.8 v1(28.78,23.4)
  Bottom Layer w0.127: v1(28.4,34.73) 28.4,33.55 27.39,32.54 26.21,32.54 26.2,32.55 26.05,32.55 U5.T8 ; v1(28.78,23.4) 28.38,23 R43.2
/FPGA_Banks_14_15_DDR3/DDR3_A9: length 1.3
  Top Layer w0.127: 25.19,23 25.19,23.03 24.83,23.39 24.83,23.47 v1(24.82,23.47)
  Bottom Layer w0.127: v1(24.82,23.47) 24.83,23.47 24.83,23.41 25.24,23 R23.1
/FPGA_Banks_14_15_DDR3/DDR3_A9_T: length 47
  Top Layer w0.127: U4.R3 25.27,33.4 25.38,33.51 25.39,33.51 25.69,33.8 26.53,33.8 27.2,34.48 v1(27.2,35.36)
  Int2 (Sign) w0.127: v1(27.2,35.36) 27.2,35.39 27.68,35.87 31.53,35.87 33.97,33.43 33.97,33.16 arc(33.94,33.07) 33.85,33.03 33.72,33.03 arc(33.59,32.9) 33.72,32.78 33.89,32.78 arc(34.01,32.65) 33.89,32.52 33.72,32.52 arc(33.59,32.4) 33.72,32.27 33.89,32.27 arc(34.01,32.14) 33.89,32.01 33.71,32.01 arc(33.59,31.89) 33.71,31.76 33.88,31.76 arc(34.01,31.63) 33.88,31.51 33.71,31.51 arc(33.59,31.38) 33.71,31.25 33.88,31.25 arc(34.01,31.13) 33.88,31 33.71,31 arc(33.59,30.87) 33.71,30.74 33.88,30.74 arc(34.01,30.62) 33.88,30.49 33.71,30.49 arc(33.59,30.36) 33.71,30.24 33.88,30.24 arc(34.01,30.11) 33.88,29.98 33.71,29.98 arc(33.59,29.86) 33.71,29.73 33.88,29.73 arc(34.01,29.6) 33.88,29.47 33.71,29.47 arc(33.59,29.35) 33.71,29.22 33.88,29.22 arc(34.01,29.09) 33.88,28.97 33.71,28.97 arc(33.58,28.84) 33.71,28.71 33.88,28.71 arc(34.01,28.59) 33.88,28.46 33.71,28.46 arc(33.58,28.33) 33.71,28.2 33.88,28.2 arc(34.01,28.08) 33.88,27.95 33.71,27.95 arc(33.58,27.82) 33.71,27.7 33.88,27.7 arc(34.01,27.57) 33.88,27.44 33.71,27.44 arc(33.58,27.32) 33.71,27.19 33.88,27.19 arc(34.01,27.06) 33.88,26.93 33.71,26.93 arc(33.58,26.81) 33.71,26.68 33.88,26.68 arc(34.01,26.55) 33.88,26.43 33.71,26.43 arc(33.58,26.3) 33.71,26.17 33.88,26.17 arc(34.01,26.05) 33.88,25.92 33.71,25.92 arc(33.59,25.79) 33.71,25.66 33.88,25.66 arc(34.01,25.54) 33.88,25.41 33.72,25.41 arc(33.59,25.28) 33.72,25.16 33.87,25.16 arc(33.99,25.03) 33.87,24.9 33.73,24.9 arc(33.6,24.78) 33.73,24.65 33.85,24.65 arc(33.94,24.61) 33.97,24.52 33.97,23.18 32.99,22.2 25.7,22.2 25.28,22.62 25.28,22.88 25.53,23.12 25.82,23.12 v1(26.38,22.58)
  Bottom Layer w0.127: v1(26.37,22.58) 25.96,22.99 25.96,23 ; v1(27.2,35.36) 27.2,36.09 27.04,36.25 26.22,36.25 25.97,36 25.45,36 25.2,36.25 U5.R3
